# Altium PCB final_pcb.PcbDoc
Units mm, origin at the board's own origin, x right, y up, seen from the top; angles counter-clockwise.
Board outline 84.84 x 58.93 mm, 2 copper layers (Top Layer, Bottom Layer); 68 components, 48 nets, 240 pads, 41 vias.
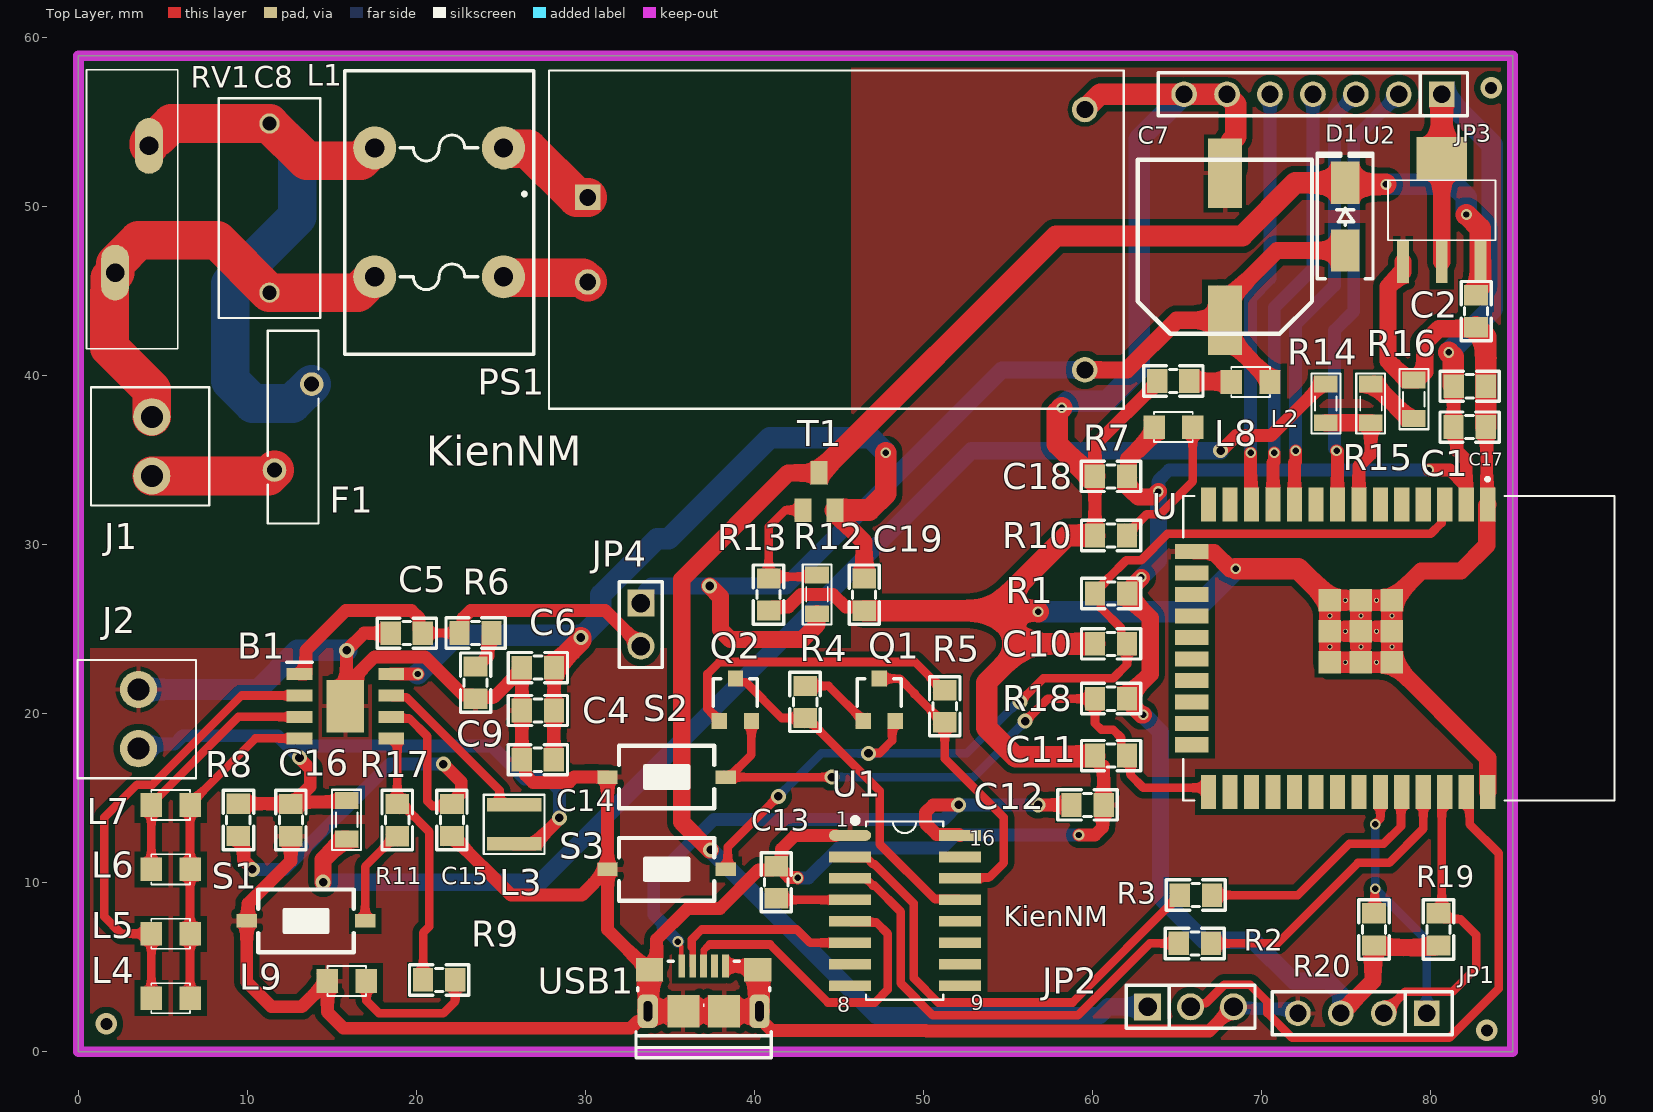
[diagram p0: Top Layer view]
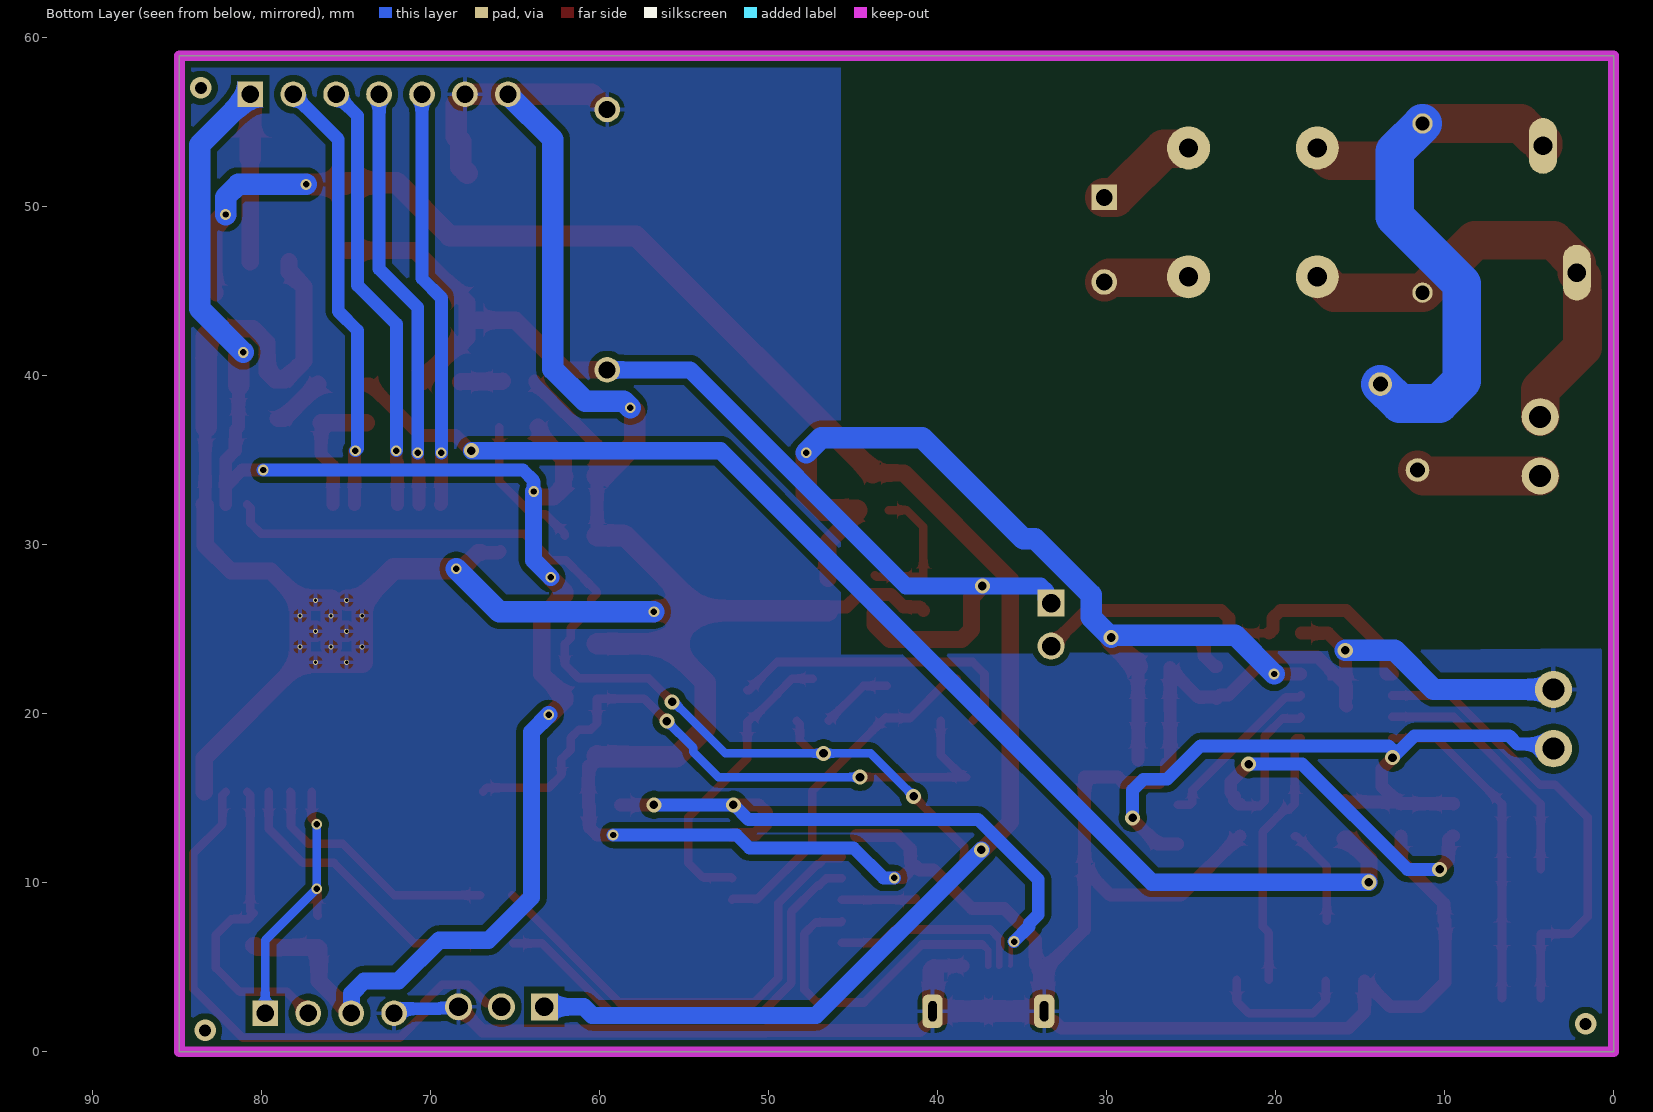
[diagram p1: Bottom Layer view, seen from below]
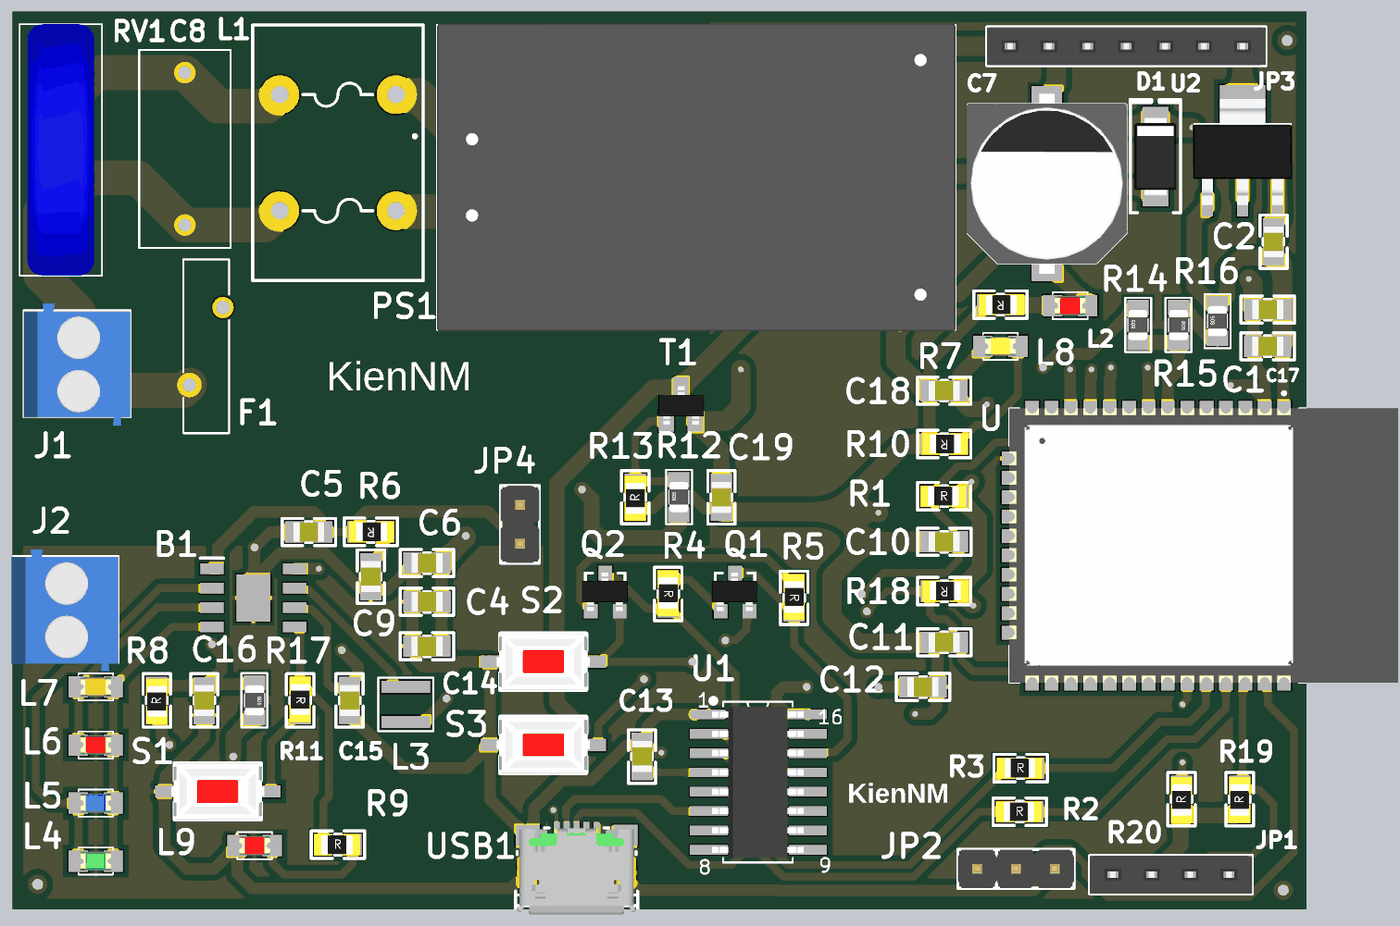
[diagram p2: 3D render of the assembled board from above, using the file's embedded part models]

## Layer stack, top to bottom
Top Solder: solder mask 0.0102, Solder Resist, Dk 3.5
Top Layer: signal copper 0.0356
Dielectric 1: dielectric 0.32, FR-4, Dk 4.8
Bottom Layer: signal copper 0.0356
Bottom Solder: solder mask 0.0102, Solder Resist, Dk 3.5

## Board outline
0,0 84.836,0 84.836,58.928 0,58.928

## Design rules (kind name [scope] priority, off if disabled: settings)
Clearance [All] p1: gap=0.254 ignorepadtopadclearanceinfootprint=FALSE
PolygonConnect [All] p1: connectstyle=Relief reliefconductorwidth=0.254 reliefentries=4 polygonreliefangle="90 Angle" airgapwidth=0.254
RoutingVias [All] p1: holewidth=0.508 width=0.889 viastyle="Through Hole" minholewidth=0.381 minwidth=0.635 maxholewidth=0.711 maxwidth=1.27
SilkToSilkClearance [IsText] p1: silktosilkclearance=0.254
SolderMaskExpansion [All] p1: expansion=0.102 istentingtop=FALSE
Width [All] p1: maxlimit=1.27 minlimit=0.254 preferedwidth=0.762
29 further rules are at their usual default settings.

## Components (designator, comment, footprint, x,y, rotation, side; value= is the part's Value field where it differs from the comment)
B1 "IP5306" SOIC127P600X165-9N 15.793,20.447 r0 top
C1 "104" "tu 0805" 82.296,36.957 r180 top
C2 "224" "tu 0805" 82.296,39.37 r0 top
C4 "22uf" "tu 0805" 27.178,20.193 r0 top
C5 "106" "tu 0805" 19.431,24.765 r180 top
C6 "22uf" "tu 0805" 27.178,22.733 r0 top
C7 "220uF" "tu nhom 10 (g)" 67.818,47.625 r90 top
C8 "capacitor fillter" CAPRR1000W60L1300T600H1200 11.303,49.911 r90 top
C9 "106" "tu 0805" 23.495,21.844 r270 top
C10 "104" "tu 0805" 61.087,24.13 r180 top
C11 "104" "tu 0805" 61.087,17.526 r180 top
C12 "104" "tu 0805" 59.69,14.605 r0 top
C13 "104" "tu 0805" 41.275,10.033 r90 top
C14 "22uf" "tu 0805" 27.178,17.272 r180 top
C15 "22uf" "tu 0805" 22.098,13.713 r90 top
C16 "22uf" "tu 0805" 12.573,13.713 r270 top
C17 "106" "tu 0805" 82.677,43.815 r270 top
C18 "106" "tu 0805" 61.082,34.036 r180 top
C19 "22uf" "tu 0805" 46.482,27.048 r270 top
D1 "SS14" "DIODE SMA" 74.93,49.403 r90 top
F1 "fuse" F2-5.1-11.4X3.0X18.3MM 12.7,36.957 r90 top
J1 "KF2" KF2-3.5 4.342,35.814 r270 top
J2 "KF2" KF2-3.5 3.556,19.685 r270 top
JP1 "JP 1x4 2.54" "JP 1x4 CT" 79.756,2.286 r180 top
JP2 "JP 1x3 2.54" "JP 1x3 DT" 63.246,2.667 r0 top
JP3 "JP 1x7 2.54" "JP 1x7 CT" 80.645,56.642 r180 top
JP4 "JP 1x2 2.54" "JP 1x2 DT" 33.274,26.543 r270 top
L1 "L" L-DIP-220 20.066,48.387 r0 top value="Loc 220"
L2 "LED 0805" LED-0805-Red 70.485,39.624 r180 top
L3 "1 uH" IND_90.5_141.7_125X31_SMD 25.781,14.605 r0 top
L4 "" LED-0805-Green 4.318,3.175 r0 top
L5 "" LED-0805-Blue 6.604,6.985 r180 top
L6 "" LED-0805-Red 4.318,10.795 r0 top
L7 "" LED-0805-Orange 6.604,14.605 r180 top
L8 "LED 0805" LED-0805-Yellow 63.627,36.957 r0 top
L9 "LED 0805" LED-0805-Red 17.018,4.191 r180 top
PS1 "HLK-PM01" CONV_HLK-PM01 44.831,48.041 r0 top
Q1 "HF" SOT23 47.371,20.828 r0 top value=C9014
Q2 "HF" SOT23 38.862,20.828 r0 top value=C9014
R1 "10k" "tro smd 0805" 61.084,27.178 r0 top
R2 "0R" "tro smd 0805" 66.04,6.477 r0 top
R3 "0R" "tro smd 0805" 66.097,9.332 r0 top
R4 "10k" "tro smd 0805" 43.053,20.701 r270 top
R5 "10k" "tro smd 0805" 51.308,20.447 r270 top
R6 "2R" "tro smd 0805" 23.495,24.714 r180 top
R7 "1k" "tro smd 0805" 64.77,39.624 r180 top
R8 "0.5R" "tro smd 0805" 9.398,13.716 r90 top
R9 "22R" "tro smd 0805" 21.336,4.318 r0 top
R10 "1k" "tro smd 0805" 61.084,30.48 r180 top
R11 "10k" "tro smd 0805" 18.923,13.716 r270 top
R12 "1k" RES-SMD-0805 43.688,27.059 r90 top
R13 "10k" "tro smd 0805" 40.767,27.051 r90 top
R14 "10k" RES-SMD-0805 73.787,38.354 r90 top
R15 "1k" RES-SMD-0805 76.454,38.354 r270 top
R16 "0R" RES-SMD-0805 78.994,38.608 r90 top
R17 "0R" RES-SMD-0805 15.875,13.724 r270 top
R18 "10k" "tro smd 0805" 61.084,20.828 r180 top
R19 "10k" "tro smd 0805" 80.391,7.239 r90 top
R20 "10k" "tro smd 0805" 76.581,7.239 r90 top
RV1 "varistor" MOV14D471K 3.175,49.841 r270 top
S1 "SW-SMD" SW-SMD 13.462,7.747 r180 top
S2 "SW-SMD" SW-SMD 34.798,16.256 r0 top
S3 "SW-SMD" SW-SMD 34.798,10.795 r0 top
T1 "A03401" A3401 43.815,33.147 r0 top
U "ESP32-WROOM-32" MODULE_ESP32-WROOM-32 78.105,23.876 r270 top
U1 "CH340C" SOIC16_50_284_25X90_SMT 48.895,8.382 r0 top
U2 "LM1117-ADJ" LM1117-SOP 80.645,48.006 r0 top
USB1 "USB Micro 5p DIP" "USB Micro 5p DIP" 36.984,2.405 r0 top

## Footprints (in the part's own frame and the unit in brackets; to place one, negate y for a bottom-side part, rotate by r counter-clockwise, add the part's x,y. Pads: shape width x height; smd on the part's side, far side on the other; paste and mask are expansions set on the pad)
A3401 [mm] "P-Channel 30V 4A _Ta_ 1.4W _Ta_ Surface Mount SOT-23-3"
  rect 1x1.4 smd: 1(-0.95,-1.1) 2(0.95,-1.1) 3(0,1.1)
  body extent -1.47,-1.33 1.53,1.17, height 1.06
CAPRR1000W60L1300T600H1200 [mm]
  round 1.2 hole 0.85: 1(-5,0) 2(5,0)
  silkscreen extent -6.5,-3 6.5,3
CONV_HLK-PM01 [mm]
  rect 1.508x1.508 / inner round 1.508 / far side rect 1.508x1.508 hole 1: 1(-14.7,2.5)
  round 1.508 hole 1: 2(-14.7,-2.5) 3(14.7,7.7) 4(14.7,-7.7)
  silkscreen extent -18.55,-10 17,10, body extent -17,-10.1 17,10.1, height 15
"DIODE SMA" [mm] "SMA"
  rect 2.5x1.7 smd: 1(-2,0) 2(2,0)
  silkscreen extent -3.68,-1.65 3.75,1.65, body extent -2.6,-1.37 2.6,1.37, height 2.4
F2-5.1-11.4X3.0X18.3MM [mil]
  round 55 hole 35: 1(-100,43.31) 2(100,-43.31)
  silkscreen extent -224,-59 224,59
IND_90.5_141.7_125X31_SMD [mm] "Inductor"
  rect 3.2x0.8 smd: 1(0,0) 2(0,-2.3)
  silkscreen extent -1.8,-2.9 1.8,0.6
"JP 1x2 DT" [mm] "2 pins, 1 row, straight, gold plating"
  rect 1.6x1.6 hole 1.1: 1(0,0)
  round 1.6 hole 1.1: 2(2.54,0)
  silkscreen extent -1.27,-1.27 3.81,1.27, body extent -1.27,-1.27 3.81,1.27, height 8.54
"JP 1x3 DT" [mm]
  rect 1.6x1.6 hole 1.1: 1(0,0)
  round 1.6 hole 1.1: 2(2.54,0) 3(5.08,0)
  silkscreen extent -1.27,-1.27 6.35,1.27, body extent -1.27,-1.27 6.35,1.27, height 8.54
"JP 1x4 CT" [mm]
  rect 1.52x1.52 hole 1.02: 1(0,0)
  round 1.52 hole 1.02: 2(2.54,0) 3(5.08,0) 4(7.62,0)
  silkscreen extent -1.52,-1.27 9.14,1.27, body extent -1.52,-1.25 9.14,1.25, height 8.51
"JP 1x7 CT" [mm] "7 row, straight, gold plating"
  rect 1.52x1.52 hole 1.02: 1(0,0)
  round 1.52 hole 1.02: 2(2.54,0) 3(5.08,0) 4(7.62,0) 5(10.16,0) 6(12.7,0) 7(15.24,0)
  silkscreen extent -1.52,-1.27 16.76,1.27, body extent -1.52,-1.25 16.76,1.25, height 8.51
KF2-3.5 [mm] "3,50mm - modular - blue - Horizontal wire entry - Pressure clamp - 8,4mm height - 02p"
  round 2.2 hole 1.3: 1(-1.75,0) 2(1.75,0)
  silkscreen extent -3.5,-3.6 3.5,3.4, body extent -3.95,-3.6 4.05,3.4, height 8.41
L-DIP-220 [mil] "Loc 220"
  round 100 hole 45: 1(-100,-100) 2(200,-100) 3(200,200) 4(-100,200)
  silkscreen extent -170,-280 270,380
LED-0805-Blue [mil]
  rect 50x55 smd: 1(0,0) 2(90,0)
  silkscreen extent 0,-35 90,35, body extent 5,-25 85,25, height 43
LED-0805-Green [mil]
  rect 50x55 smd: 1(0,0) 2(90,0)
  silkscreen extent 0,-35 90,35, body extent 5,-25 85,25, height 43
LED-0805-Orange [mil]
  rect 50x55 smd: 1(0,0) 2(90,0)
  silkscreen extent 0,-35 90,35, body extent 5,-25 85,25, height 43
LED-0805-Red [mil]
  rect 50x55 smd: 1(0,0) 2(90,0)
  silkscreen extent 0,-35 90,35, body extent 5,-25 85,25, height 43
LED-0805-Yellow [mil]
  rect 50x55 smd: 1(0,0) 2(90,0)
  silkscreen extent 0,-35 90,35, body extent 5,-25 85,25, height 43
LM1117-SOP [mm]
  rect 0.7x2.54 smd: 1(-2.3,-1.27) 2(0,-1.27) 3(2.3,-1.27)
  rect 3x2.54 smd: 2(0,4.826)
  silkscreen extent -3.17,0 3.17,3.56, body extent -3.25,-1.78 3.25,5.18, height 1.68
MODULE_ESP32-WROOM-32 [mm]
  rect 2x0.9 smd: 1(-8.5,5.26) 2(-8.5,3.99) 3(-8.5,2.72) 4(-8.5,1.45) 5(-8.5,0.18) 6(-8.5,-1.09) 7(-8.5,-2.36) 8(-8.5,-3.63) 9(-8.5,-4.9) 10(-8.5,-6.17) 11(-8.5,-7.44) 12(-8.5,-8.71) 13(-8.5,-9.98) 14(-8.5,-11.25) 25(8.5,-11.25) 26(8.5,-9.98) 27(8.5,-8.71) 28(8.5,-7.44) 29(8.5,-6.17) 30(8.5,-4.9) 31(8.5,-3.63) 32(8.5,-2.36) 33(8.5,-1.09) 34(8.5,0.18) 35(8.5,1.45) 36(8.5,2.72) 37(8.5,3.99) 38(8.5,5.26)
  rect 0.9x2 smd: 16(-4.445,-12.25) 17(-3.175,-12.25) 18(-1.905,-12.25) 19(-0.635,-12.25) 20(0.635,-12.25) 21(1.905,-12.25) 22(3.175,-12.25) 23(4.445,-12.25) 24(5.715,-12.25) C(-5.715,-12.25)
  rect 1.33x1.33 smd: 39_1(-2.835,-0.405) 39_2(-1,-0.405) 39_3(0.835,-0.405) 39_4(-2.835,-2.24) 39_5(-1,-2.24) 39_6(0.835,-2.24) 39_7(-2.835,-4.075) 39_8(-1,-4.075) 39_9(0.835,-4.075)
  round 0.3 hole 0.2: 39_10(-1.917,-0.405) 39_11(-0.082,-0.405) 39_12(-2.835,-1.322) 39_13(-1,-1.322) 39_14(0.835,-1.322) 39_15(-1.917,-2.24) 39_16(-0.082,-2.24) 39_17(-2.835,-3.157) 39_18(-1,-3.157) 39_19(0.835,-3.157) 39_20(-1.917,-4.075) 39_21(-0.082,-4.075)
  silkscreen extent -10.1,-12.75 9,12.75, body extent -9.02,-12.75 8.98,12.75, height 3.2
MOV14D471K [mm]
  oval 3.3x1.65 hole 1.1: 1(-3.75,1) 2(3.75,-1)
  silkscreen extent -8.25,-2.7 8.25,2.7, body extent -8.25,-2.2 8.25,2.2, height 20
RES-SMD-0805 [mil]
  rect 39.37x55 smd: 1(-45,0) 2(45,0)
  silkscreen extent -70,-34 70,33, body extent -39,-25 39,25, height 31
SOIC16_50_284_25X90_SMT [mm]
  oval 2.5x0.635 smd mask+0.076: 1(-3.25,4.42)
  rect 2.5x0.635 smd mask+0.076: 2(-3.25,3.15) 3(-3.25,1.88) 4(-3.25,0.61) 5(-3.25,-0.66) 6(-3.25,-1.93) 7(-3.25,-3.2) 8(-3.25,-4.47) 9(3.25,-4.47) 10(3.25,-3.2) 11(3.25,-1.93) 12(3.25,-0.66) 13(3.25,0.61) 14(3.25,1.88) 15(3.25,3.15) 16(3.25,4.42)
  silkscreen extent -3.07,-5.3 2.26,5.44, body extent -3.02,-4.97 2.98,4.93, height 1.4
SOIC127P600X165-9N [mm]
  rect 1.525x0.7 smd: 1(-2.712,1.905) 2(-2.712,0.635) 3(-2.712,-0.635) 4(-2.712,-1.905) 5(2.712,-1.905) 6(2.712,-0.635) 7(2.712,0.635) 8(2.712,1.905)
  rect 2.21x3.1 smd: 9(0,0)
  silkscreen extent -3.47,2.61 -1.95,2.61
SOT23 [mm] "SOT23"
  rect 0.9x0.95 smd: 1(-0.95,-1.25) 2(0,1.25)
  rect 0.9x0.95 smd mask+0: 3(0.95,-1.25)
  silkscreen extent -1.3,-0.38 1.3,1.25, body extent -1.52,-1.23 1.48,1.27, height 1.06
SW-SMD [mm] "Switch SMD type"
  rect 1.2x0.8 smd: 1(-3.5,0) 2(3.5,0)
  silkscreen extent -2.82,-1.85 2.82,1.85, body extent -3.05,-1.85 3.05,1.85, height 2.5
"tro smd 0805" [mm]
  rect 1.2x1.4 smd: 1(-0.946,-0.061) 2(0.954,-0.061)
  silkscreen extent -1.75,-0.97 1.75,0.84, body extent -1.56,-0.76 1.44,0.64, height 0.53
"tu 0805" [mm] "Compoment SMD 80x50mil"
  rect 1.2x1.4 smd: 1(-0.946,-0.003) 2(0.954,-0.003)
  silkscreen extent -1.75,-0.89 1.75,0.89, body extent -1.01,-0.64 1.01,0.63, height 0.61
"tu nhom 10 (g)" [mm]
  rect 4.1x2 smd: 1(-4.35,0) 2(4.35,0)
  silkscreen extent -5.15,-5.15 5.15,5.15, body extent -5.9,-5.25 5.9,5.25, height 10.5
"USB Micro 5p DIP" [mm]
  rect 0.4x1.35 smd mask+0.05: 1(-1.3,2.675) 2(-0.65,2.675) 3(0,2.675) 4(0.65,2.675) 5(1.3,2.675)
  rrect60% 1.2x2 hole 0.5 slot 1.2 at 90 deg: 5(-3.3,0) 5(3.3,0)
  rect 1.6x1.4 smd: 5(-3.2,2.45) 5(3.2,2.45)
  rect 1.9x1.9 smd paste-10: 5(-1.2,0) 5(1.2,0)
  silkscreen extent -4,-2.75 4,2.95, body extent -3.93,-2.76 3.93,2.9, height 2.85

## Part data
B1: "Fully-Integrated Power-Bank System-On-Chip", Manufacturer_Name=INJOINIC, Datasheet Link=https://datasheetspdf.com/pdf-file/1139129/Injoinic/IP5306/1, Geometry.Height=1.65mm, Manufacturer_Part_Number=IP5306
C1 C10 C11 C12 C13: library part "Tu 0805 104 50V 10%", "Dán", Chung_Loai=Dán, Don_Vi=Con, Ma_Hang=MH004551, So_Chan=2, Ten_Linh_Kien="Tụ 0805 104-100nF 10% 50V"
C2: library part "Tu 0805 224 50V 10%", "Dán", Chung_Loai=Dán, Don_Vi=Con, Ma_Hang=MH004559, So_Chan=2, Ten_Linh_Kien="Tụ 0805 224-0.22uF 10% 50V"
C4 C6 C14 C15 C16 C19: library part "Tu 0805 225 25V 10%", "Dán", Chung_Loai=Dán, Don_Vi=Con, Ma_Hang=MH007483, So_Chan=2, Ten_Linh_Kien="Tụ 0805 225-2.2uF 25V 10%"
C5 C9 C17 C18: library part "Tu 0805 106 16V 10%", "Dán", Chung_Loai=Dán, Don_Vi=Con, Ma_Hang=MH004553, So_Chan=2, Ten_Linh_Kien="Tụ 0805 106-10uF 10% 16V"
C7: library part "Tu Nhom 220uF 50V", "Dán", Chung_Loai=Dán, Don_Vi=Con, Ma_Hang=MH002228, So_Chan=2, Ten_Linh_Kien="Tụ Nhôm 220uF 50V 10x10.2MM"
C8: library part B32921C3104M003, "Safety Capacitors FILM CAP MKP X2 0.10uF 20% 305Vac LS 10mm - short leads", Package=None, Availability="In Stock", Check_prices=https://www.snapeda.com/parts/B32921C3104M003/TDK/view-part/?ref=eda, MF=TDK, MP=B32921C3104M003, Price=None, Purchase-URL=https://pricing.snapeda.com/search/part/B32921C3104M003/?ref=eda, SnapEDA_Link=https://www.snapeda.com/parts/B32921C3104M003/TDK/view-part/?ref=snap
D1: library part "Diode SS14 ( 1N5819)", "Dán", Chung_Loai=Dán, Don_Vi=Con, Ma_Hang=MH002211, Ten_Linh_Kien="Diode SS14 DO214 Schottky 1A 40V ( 1N5819 DO214)"
F1: library part DIP-PPTC-2.5A-30V(D11.4MM), "Polymeric PTC Resettable Fuse 30V 2.5A Ih Through Hole Radial, Disc", Package="Radial Littelfuse", Availability=Bad, Check_prices=https://www.snapeda.com/parts/30R250/Littelfuse/view-part/4772985/?ref=eda, MF=Littelfuse, MP=30R250, Price=None, SnapEDA_Link=https://www.snapeda.com/parts/30R250/Littelfuse/view-part/4772985/?ref=snap
J1 J2: Manufacturer="Würth Elektronik eiSos GmbH", partNo=691103110002, ComponentLink1 Description=Manufacturer, ComponentLink1URL=http://www.we-online.com, ComponentLink2 Description=Datasheet, ComponentLink2URL=http://katalog.we-online.de/em/datasheet/6911031100xx.pdf, Created by="Karrer Zheng", Created Date="29 October 2013", NoPins=2
JP1: library part "JP 1x4 2.54 Cai Thang", "Cắm", Chung_Loai=Cắm, Don_Vi=Con, Ma_Hang=MH004006, Ten_Linh_Kien="Jump Đơn Cái 2.54MM 1x20P Thẳng"
JP2: library part "JP 1x3 2.54 Duc Thang", "Cắm", Chung_Loai=Cắm, Don_Vi=Con, Ma_Hang=MH000903, Ten_Linh_Kien="Jump Đơn Đực 2.54MM 1x40P Thẳng 11MM"
JP3: library part "JP 1x7 2.54 Cai Thang", "Cắm", Chung_Loai=Cắm, Don_Vi=Con, Ma_Hang=MH004006, Ten_Linh_Kien="Jump Đơn Cái 2.54MM 1x20P Thẳng"
JP4: library part "JP 1x2 2.54 Duc Thang", "Cắm", Chung_Loai=Cắm, Don_Vi=Con, Ma_Hang=MH000903, Ten_Linh_Kien="Jump Đơn Đực 2.54MM 1x40P Thẳng 11MM"
L1: library part L-DIP-220, "Inductor", Designed by=VanDungEvn
L2 L6 L9: library part "LED 0805 Do", "Dán", Chung_Loai=Dán, Don_Vi=Con, Ma_Hang=MH000897, Ten_Linh_Kien="LED 0805 Màu Đỏ (Red)"
L3: library part IND_1uH-4.2A-20%-SMD, "Fixed Inductors WPN3012H1R0MT 100kHz", Alternate Part Number-1=NA, Case/Package=SMD, Manufacturer=Sunlord, Manufacturer Part Number=WPN3012H1R0MT, Supplier Part Number-1=NA, Supplier-1=NA
L4: library part "LED 0805 Xanh La", "Dán", Chung_Loai=Dán, Don_Vi=Con, Ma_Hang=MH002326, Ten_Linh_Kien="LED 0805 Màu Xanh Lá (Green)"
L5: library part "LED 0805 Xanh Duong", "Dán", Chung_Loai=Dán, Don_Vi=Con, Ma_Hang=MH002327, Ten_Linh_Kien="LED 0805 Màu Xanh Dương (Blue)"
L7: library part "LED 0805 Cam", "Dán", Chung_Loai=Dán, Don_Vi=Con, Ma_Hang=MH002328, Ten_Linh_Kien="LED 0805 Màu Cam ( Orange)"
L8: library part "LED 0805 Trang", "Dán", Chung_Loai=Dán, Don_Vi=Con, Ma_Hang=MH002946, Ten_Linh_Kien="LED 0805 Màu Trắng ( White)"
PS1: "The HLK-PM01 is a small size low cost AC to DC converter which can take in 110V/220V AC at 50/60 Hz and give 5V 3W output. The module is can be used in designs which run on 5V and needs to be powered form the AC mains.", Package=None, Availability="Not in stock", Check_prices=https://www.snapeda.com/parts/hlk-pm01/Hi-link/view-part/?ref=eda, MF=Hi-link, MP=hlk-pm01, Price=None, SnapEDA_Link=https://www.snapeda.com/parts/hlk-pm01/Hi-link/view-part/?ref=snap
Q1 Q2: library part "C1815 HF SMD", "NPN transistor"
R1 R4 R5 R18: library part "Tro 0805 5% 10k", "Dán", Chung_Loai=Dán, Don_Vi=Con, Ma_Hang=MH005239, So_Chan=2, Ten_Linh_Kien="Trở 0805 5% 10k"
R2 R3: library part "Tro 0805 5% 0R", "Dán", Chung_Loai=Dán, Don_Vi=Con, Ma_Hang=MH005230, So_Chan=2, Ten_Linh_Kien="Trở 0805 5% 0R"
R6: library part "Tro 0805 5% 1R", "Dán", Chung_Loai=Dán, Don_Vi=Con, Ma_Hang=MH005236, So_Chan=2, Ten_Linh_Kien="Trở 0805 5% 1R"
R7 R10: library part "Tro 0805 1% 1k", "Dán", Chung_Loai=Dán, Don_Vi=Con, Ma_Hang=MH005468, So_Chan=2, Ten_Linh_Kien="Trở 0805 1% 1k"
R8: library part "Tro 0805 1% 0.5R", "Dán", Chung_Loai=Dán, Don_Vi=Con, Ma_Hang=MH005465, So_Chan=2, Ten_Linh_Kien="Trở 0805 1% 0.5R"
R9: library part "Tro 0805 5% 22R", "Dán", Chung_Loai=Dán, Don_Vi=Con, Ma_Hang=MH005249, So_Chan=2, Ten_Linh_Kien="Trở 0805 5% 22R"
R11 R13 R19 R20: library part "Tro 0805 1% 10k", "Dán", Chung_Loai=Dán, Don_Vi=Con, Ma_Hang=MH005473, So_Chan=2, Ten_Linh_Kien="Trở 0805 1% 10k"
R12 R14 R15 R16 R17: library part "Resistor - SMD", "Resistor", Manufacturer="Generic Components", Class=Passive, Published=08/06/2000, Publisher="Altium Hobart Technology Centre"
RV1: library part MOV-14D471K, "470 V 4.5 kA Varistor 1 Circuit Through Hole Disc 14mm", Package="Disc-14 Bourns", Availability="In Stock", Check_prices=https://www.snapeda.com/parts/MOV-14D471K/Bourns/view-part/?ref=eda, MF=Bourns, MP=MOV-14D471K, Price=None, Purchase-URL=https://pricing.snapeda.com/search/part/MOV-14D471K/?ref=eda, SnapEDA_Link=https://www.snapeda.com/parts/MOV-14D471K/Bourns/view-part/?ref=snap
S1 S2 S3: "Switch", LatestRevisionDate=17-Jul-2002, LatestRevisionNote="Re-released for DXP Platform.", PackageReference=SPST-2, Published=24-Mar-1999, Publisher="Altium Limited"
T1: "P-Channel 30V 4A _Ta_ 1.4W _Ta_ Surface Mount SOT-23-3"
U: "Bluetooth, WiFi Transceiver Module 2.4GHz ~ 2.5GHz Surface Mount", Package="Module Espressif Systems", Digi-Key_Part_Number=1904-1010-1-ND, Digi-Key_Purchase_URL=https://www.digikey.com/product-detail/en/espressif-systems/ESP32-WROOM-32/1904-1010-1-ND/8544305?utm_source=snapeda&utm_medium=aggregator&utm_campaign=symbol, MF="Espressif Systems", MP=ESP32-WROOM-32, SnapEDA_Link=https://www.snapeda.com/parts/ESP32-WROOM-32/Espressif%20Systems/view-part/2753322/?ref=snap
U1: "USB Bridge, USB to UART USB 2.0 UART Interface", Alternate Part Number-1=NA, Case/Package=SOIC16, Manufacturer=Olimex, Supplier Part Number-1=C84681, Manufacturer Part Number=CH340C, Supplier-1=LCSC
U2: "800mA Low-Dropout Linear Regulator", Creator="Nguyen Ba Bien", Website=http://group3i.net
USB1: "USB Type B", Ma_Hang=MH005145, Ten="MicroUSB MK5P DIP"

## Via types
v1: diameter 0.635, hole 0.381, Top Layer to Bottom Layer, tented both sides, 21 vias
v2: diameter 0.889, hole 0.508, Top Layer to Bottom Layer, tented both sides, 17 vias
v3: diameter 1.27, hole 0.711, Top Layer to Bottom Layer, tented both sides, 3 vias

## Nets (pads, with @x,y where several pads share a name; then routed paths per layer and width w, separated by ;. In a path a pad name is that pad's centre, name@x,y a point inside that pad or via, vN(x,y) a via of type N, cw(c..) or ccw(c..) an arc to the next point about the centre after c; other vN are vias at no path point)
3V3: C1.2 C2.1 C18.1 JP1.3 JP3.1 L8.1 R1.2 R18.1 R19.1 R20.1 U2.2 U.2 | length 112.1
  Top Layer w0.762: v1(79.883,34.417) 81.132,34.417 82.026,33.523 ; C2.1@81.346,39.337 81.346,36.965 C1.2 81.529,36.773 81.529,35.565 82.095,34.999 U.2 ; C2.1@81.346,39.362 C2.1
  Top Layer w1.016: v1(62.865,28.067) 62.865,28.043 62.039,27.217 R1.2 62.039,27.017 63.398,25.658 63.398,22.357 62.03,20.989 R18.1 62.03,20.789 62.88,19.939 v1(62.992,19.939) ; L8.1 63.5,36.83 63.5,36.449 62.119,35.068 62.119,34.131 C18.1 62.119,33.947 62.119,33.417 62.715,32.822 63.556,32.822 v1(63.881,33.147) ; JP1.3 76.581,4.191 76.581,6.106 76.642,6.166 80.225,6.166 80.352,6.293 R19.1 ; U2.2@80.645,46.736 U2.2@80.645,52.832
  Top Layer w1.27: U2.2@80.645,52.832 JP3.1 ; v1(81.055,41.372) 81.315,41.111 C2.1@81.315,39.432
  Bottom Layer w0.762: v1(63.881,33.147) 63.881,33.782 64.516,34.417 v1(79.883,34.417)
  Bottom Layer w1.016: v1(62.865,28.067) 63.881,29.083 v1(63.881,33.147) ; v1(62.992,19.939) 64.008,18.923 64.008,9.144 66.548,6.604 69.469,6.604 71.882,4.191 73.914,4.191 74.648,3.457 74.648,2.314 JP1.3
  Bottom Layer w1.27: JP3.1 83.629,53.657 83.629,43.947 v1(81.055,41.372)
5V_REG: C7.1 D1.1 JP4.1 L2.1 PS1.4 R12.1 | length 65.8
  Top Layer w1.016: v2(37.338,27.559) 37.973,26.924 37.973,24.979 38.568,24.384 42.799,24.384 43.688,25.273 R12.1 ; PS1.4 62.028,40.341 64.962,43.275 C7.1 ; L2.1 70.358,39.751 70.358,39.876 68.501,41.733 68.31,41.733 67.818,42.225 C7.1 ; D1.1 70.896,47.403 67.818,44.325 C7.1
  Bottom Layer w1.016: JP4.1 33.566,26.835 33.566,27.228 33.897,27.559 v2(37.338,27.559) 41.854,27.559 54.635,40.341 PS1.4
AC_IN1: F1.1 J1.2 | length 7.4
  Top Layer w2.286: J1.2 11.247,34.064 F1.1
AC_IN2: C8.1 J1.1 L1.1 RV1.2 | length 27.8
  Top Layer w2.286: J1.1 4.342,39.162 1.841,41.663 1.841,44.932 1.857,44.948 1.857,45.773 RV1.2 2.175,46.625 3.556,48.006 8.208,48.006 C8.1 16.521,44.911 17.457,45.847 L1.1
D+: U1.5 USB1.3 | length 19.5
  Top Layer w0.381: USB1.3 36.987,5.083 36.987,5.999 37.338,6.35
  Top Layer w0.508: 37.338,6.35 40.907,6.35 44.336,2.921 47.117,2.921 47.879,3.683 47.879,6.985 47.205,7.659 45.708,7.659 U1.5
D-: U1.6 USB1.2 | length 11.5
  Top Layer w0.381: 36.291,6.177 36.334,6.134 USB1.2
  Top Layer w0.508: 36.291,6.177 36.291,6.666 36.864,7.239 42.495,7.239 43.282,6.452 U1.6
DTR: Q2.2 R4.2 U1.13 | length 20.5
  Top Layer w0.508: Q2.2 38.862,22.053 39.058,21.857 39.484,21.857 41.594,19.747 R4.2 ; R4.2@43.042,19.797 47.403,15.436 47.403,12.287 50.634,9.056 52.082,9.056 U1.13
EN: C10.1 Q1.3 R1.1 S3.2 U.3 | length 60.9
  Top Layer w0.508: S3.2 38.298,10.826 38.413,10.941 38.413,12.124 v2(41.402,15.113) ; v2(46.736,17.653) 46.764,17.681 47.399,17.681 48.133,18.415 48.133,19.39 Q1.3 ; v2(55.689,20.701) 57.085,22.097 61.213,22.097 62.033,22.917 C10.1 61.687,24.479 61.687,25.054 60.485,26.256 60.485,26.771 R1.1 60.139,27.217 60.931,28.009 60.931,28.028 61.986,29.083 62.865,29.083 64.423,30.641 79.988,30.641 80.629,31.282 80.629,32.18 U.3
  Bottom Layer w0.508: v2(41.402,15.113) 43.942,17.653 v2(46.736,17.653) 52.538,17.653 55.586,20.701 v2(55.689,20.701)
GND: B1.9 C1.1 C2.2 C4.1 C5.2 C6.1 C7.2 C9.2 C10.2 C11.2 C12.2 C13.2 C14.2 C15.1 C16.2 C17.2 C18.2 C19.2 J2.1 JP1.4 JP2.3 JP3.6 JP3.7 L9.2 PS1.3 R7.2 R10.2 R13.1 R16.2 S1.2 S2.1 S3.1 U1.1 U2.1 U.1 U.38 U.39_1 U.39_2 U.39_3 U.39_4 U.39_5 U.39_6 U.39_7 U.39_8 U.39_9 U.39_10 U.39_11 U.39_12 U.39_13 U.39_14 U.39_15 U.39_16 U.39_17 U.39_18 U.39_19 U.39_20 U.39_21 U.C USB1.5 | length 375.6
  Top Layer w0.254: USB1.5@39.774,4.445 USB1.5@40.184,4.855
  Top Layer w0.762: C16.2 12.57,11.3 10.036,8.766 10.036,7.766 10.017,7.747 S1.2 9.962,4.135 11.43,2.667 13.208,2.667 14.414,3.873 14.478,3.873 L9.2@14.732,4.127 ; L9.2 L9.2@14.732,4.127 ; B1.9 15.851,20.505 15.851,20.95 15.851,21.651 15.851,23.725 v2(15.875,23.749) 16.894,24.768 C5.2 ; B1.9@15.793,20.95 15.793,21.651 17.056,22.913 17.51,23.368 20.505,23.368 22.765,21.109 23.273,21.109 C9.2 23.584,20.982 24.584,20.982 C6.1@26.232,22.63 ; C15.1 25.598,9.271 29.774,9.271 S3.1 ; C6.1 C6.1@26.232,22.63 ; USB1.5@33.684,2.405 33.684,2.005 33.465,1.786 33.065,1.786 32.676,1.397 15.684,1.397 14.732,2.349 14.732,3.873 L9.2@14.732,4.127 ; USB1.5@38.469,5.08 39.959,5.08 USB1.5@40.184,4.855 ; USB1.5@40.284,2.405 40.284,2.005 41.019,1.27 50.121,1.27 50.159,1.232 66.891,1.232 JP2.3 ; R13.1 41.047,26.324 41.999,26.324 42.734,27.059 44.642,27.059 45.388,26.313 46.26,26.313 C19.2 ; v1(42.545,10.287) 42.51,10.322 42.043,10.322 C13.2@41.378,10.987 ; U1.1@44.776,12.791 42.382,12.791 41.597,12.006 41.597,11.206 C13.2@41.378,10.987 ; v1(59.182,12.827) 60.134,12.827 60.58,13.273 60.58,14.537 C12.2 ; C18.2 60.129,34.038 R10.2 R10.2 ; C18.2@60.127,34.069 60.127,35.897 63.816,39.585 R7.2 ; C12.2@60.644,14.502 C12.2 ; C11.2@60.644,16.918 C12.2 ; U.C 65.913,29.533 66.987,29.533 ; C1.1 83.303,36.899 U.1@83.303,32.438 ; C6.1@26.232,22.63 C4.1 26.228,20.185 26.228,17.28 C14.2 26.443,17.056 26.443,16.387 26.889,15.94 29.012,15.94 29.328,16.256 S2.1 S3.1 ; S3.1 31.298,7.241 33.684,4.855 33.784,4.855 33.884,4.855 34.203,5.174 34.203,6.644 36.043,8.484 37.948,8.484 40.232,10.768 41.059,10.768 C13.2 C13.2@41.378,10.987
  Top Layer w1.016: 66.987,29.533 67.171,29.533 68.129,28.575 v1(68.453,28.575) ; U.39_3 83.365,17.376 U.38 ; U.39_1 79.437,28.448 81.788,28.448 83.307,29.967 83.307,32.318 U.1 ; U2.1 78.345,46.132 77.47,45.257 77.47,40.867 78.578,39.759 78.986,39.759 R16.2 79.177,39.751 79.658,40.232 79.658,41.95 80.476,42.769 82.582,42.769 C17.2
  Top Layer w1.27: USB1.5@33.784,4.855 33.719,4.79 33.719,2.44 33.684,2.405 35.784,2.405 38.184,2.405 40.284,2.405 40.249,2.44 40.249,4.79 USB1.5@40.184,4.855 ; C19.2 54.043,26.094 ; v1(56.769,26.035) 56.71,26.094 54.043,26.094 ; v1(58.166,38.1) 57.912,37.846 57.912,35.941 59.749,34.104 60.092,34.104 60.127,34.069 C18.2 ; PS1.3 60.432,56.642 JP3.7@65.337,56.642 ; R10.2 58.49,30.541 54.043,26.094 ; C11.2 60.133,17.499 60.098,17.464 59.567,17.464 59.565,17.462 55.435,17.462 53.721,19.177 53.721,21.844 56.007,24.13 ; C10.2 60.129,24.13 56.007,24.13 ; JP3.7 JP3.6 67.945,56.574 68.453,56.066 68.453,54.134 68.183,53.864 68.183,52.34 C7.2 ; v1(68.453,28.575) 72.166,28.575 U.39_7 ; U.39_18 U.39_5 ; U.39_17 U.39_7 ; U.39_16 U.39_5 ; U.39_13 U.39_2 ; C17.2@82.669,42.896 83.25,42.314 C2.2 83.246,39.362 83.246,36.965 C1.1 ; 54.043,26.094 56.007,24.13 ; U.39_7 U.39_20 U.39_8 U.39_21 U.39_9 U.39_19 U.39_6 U.39_14 U.39_3 U.39_11 U.39_2 ; U.39_5 U.39_15 U.39_4 U.39_12 U.39_1 U.39_10 U.39_2
  Bottom Layer w0.762: v1(42.545,10.287) 43.18,10.287 44.958,12.065 51.117,12.065 51.879,12.827 v1(59.182,12.827) ; JP2.3 69.452,2.566 71.681,2.536 71.904,2.313 71.931,2.286 JP1.4
  Bottom Layer w1.27: J2.1 10.64,21.435 12.954,23.749 v2(15.875,23.749) ; v1(56.769,26.035) 65.913,26.035 v1(68.453,28.575) ; v1(58.166,38.1) 58.547,38.481 60.833,38.481 62.738,40.386 62.738,53.975 JP3.7
GND_ADC: R15.1 R16.1 | length 3.2
  Top Layer w1.016: R15.1@76.644,39.489 78.661,37.473 78.986,37.473 R16.1
IO0: C11.1 Q2.3 R18.2 S2.2 U.25 | length 38.6
  Top Layer w0.508: S2.2 S2.2@38.498,16.256 ; Q2.3 39.812,17.57 S2.2@38.498,16.256 ; v2(44.577,16.256) S2.2@38.498,16.256 ; v2(56.007,19.558) 57.338,20.889 R18.2 60.133,20.886 60.133,19.427 60.5,19.06 61.204,19.06 61.681,18.583 61.681,18.273 61.687,18.268 61.687,17.875 62.239,17.323 62.239,16.374 62.992,15.621 66.659,15.621 66.855,15.425 U.25
  Bottom Layer w0.508: v2(44.577,16.256) 52.959,16.256 54.447,17.744 54.447,17.998 v2(56.007,19.558)
IO25: JP3.3 U.10 | length 25.8
  Top Layer w0.762: U.10 71.935,34.851 72.009,34.925 v1(72.009,35.56)
  Bottom Layer w0.762: v1(72.009,35.56) 72.004,35.565 72.004,43.048 74.295,45.339 74.295,55.372 JP3.3
IO26: JP3.4 U.11 | length 25.2
  Top Layer w0.762: U.11 70.665,34.851 70.739,34.925 v1(70.739,35.433)
  Bottom Layer w0.762: v1(70.739,35.433) 70.739,44.03 73.025,46.316 JP3.4
IO27: JP3.5 U.12 | length 24.8
  Top Layer w0.762: v1(69.342,35.433) 69.342,32.429 U.12
  Bottom Layer w0.762: v1(69.342,35.433) 69.342,44.601 70.485,45.744 JP3.5
IO28: JP3.2 U.8 | length 25.9
  Top Layer w0.762: v1(74.422,35.56) 74.475,35.507 U.8
  Bottom Layer w0.762: v1(74.422,35.56) 74.295,35.687 74.295,42.672 75.438,43.815 75.438,53.975 JP3.2
NetB1_1: B1.1 C5.1 JP4.2 R6.2 | length 25.3
  Top Layer w0.508: C5.1 20.38,24.772 R6.2@22.537,24.772
  Top Layer w0.762: B1.1 13.432,22.352 13.463,22.383 13.463,23.75 15.816,26.103 19.711,26.103 20.158,25.657 20.158,24.987 C5.1 ; R6.2 22.76,24.994 22.76,25.664 23.206,26.11 31.167,26.11 JP4.2
NetB1_2: B1.2 L4.1 L5.2 | length 27.4
  Top Layer w0.508: L4.1 L5.2 2.54,6.985 1.524,8.001 1.524,13.863 3.473,15.811 4.381,15.811 9.652,21.082 B1.2
NetB1_3: B1.3 L6.1 L7.2 | length 14.8
  Top Layer w0.508: L6.1 L7.2 4.318,14.668 9.461,19.812 B1.3
NetB1_4: B1.4 L4.2 L5.1 L6.2 L7.1 | length 19.6
  Top Layer w0.508: L4.2 L5.1 L6.2 L7.1 6.604,14.668 10.477,18.542 B1.4
NetB1_5: B1.5 R9.1 R11.1 | length 15.7
  Top Layer w0.508: B1.5 18.766,18.542 18.862,18.446 R11.1 19.208,14.316 19.466,14.316 20.758,13.024 20.758,7.414 20.39,7.047 R9.1
NetB1_6: B1.6 C15.2 R8.1 | length 27.4
  Top Layer w0.508: B1.6 18.601,19.716 19.592,19.716 20.639,18.669 20.639,14.841 20.937,14.543 C15.2@22.101,14.543
  Top Layer w0.762: R8.1 9.559,12.77 9.778,12.551 9.778,11.339 10.287,10.829 v2(10.287,10.795) ; v2(21.59,17.018) 21.592,17.018 22.645,15.964 22.645,15.333 22.42,15.108 22.42,14.887 22.201,14.668 C15.2
  Bottom Layer w0.762: v2(10.287,10.795) 12.192,10.795 18.415,17.018 v2(21.59,17.018)
NetB1_7: B1.7 L3.1 | length 10.4
  Top Layer w0.508: B1.7 18.601,20.986 19.4,20.986 24.917,15.469 24.917,14.751 25.063,14.605 L3.1
NetC8_2: C8.2 F1.2 L1.4 RV1.1 | length 38.6
  Top Layer w2.286: RV1.1 4.175,53.78 4.493,54.098 4.682,54.098 5.495,54.911 C8.2 13.509,52.705 16.695,52.705 17.457,53.467 L1.4
  Bottom Layer w2.286: C8.2 12.954,53.26 12.954,49.403 8.982,45.431 8.982,39.693 10.322,38.354 12.657,38.354 F1.2
NetC9_1: C9.1 R6.1 | length 2.4
  Top Layer w0.762: C9.1 23.592,22.79 24.222,23.42 24.222,24.556 R6.1
NetC13_1: C13.1 U1.4 | length 4.4
  Top Layer w0.508: C13.1 41.374,8.992 U1.4
NetL1_2: L1.2 PS1.2 | length 5.1
  Top Layer w2.286: L1.2 25.195,45.798 29.835,45.798 30.093,45.541 PS1.2
NetL1_3: L1.3 PS1.1 | length 6.2
  Top Layer w2.286: L1.3 25.195,53.418 26.592,53.418 29.469,50.541 PS1.1
NetL2_2: L2.2 R7.1 | length 2.5
  Top Layer w1.016: R7.1 65.746,39.654 68.169,39.654 L2.2
NetL8_2: L8.2 R10.1 | length 8.5
  Top Layer w0.508: R10.1 62.03,30.641 63.195,31.806 63.977,31.806 65.913,33.742 L8.2
NetL9_1: L9.1 R9.2 | length 8.3
  Top Layer w0.508: L9.1 17.038,4.171 17.038,3.028 17.78,2.286 21.59,2.286 22.29,2.986 R9.2
NetQ1_1: Q1.1 R4.1 | length 4.3
  Top Layer w0.508: R4.1 44.377,21.647 46.421,19.603 Q1.1
NetQ2_1: Q2.1 R5.1 | length 18.1
  Top Layer w0.508: Q2.1 37.912,19.603 37.211,20.304 37.211,22.352 37.92,23.061 49.479,23.061 51.147,21.393 R5.1
NetR11_2: R11.2 S1.1 | length 5.9
  Top Layer w0.508: S1.1 16.962,10.961 18.762,12.762 R11.2
NetR12_2: R12.2 R13.2 T1.1 | length 8.4
  Top Layer w0.508: T1.1 41.826,32.047 40.828,31.049 R13.2 40.926,28.104 43.589,28.104 R12.2
PIN_ADC_ESP: R14.1 R15.2 U.7 | length 7.8
  Top Layer w0.762: U.7 75.745,34.655 76.454,35.364 R15.2
  Top Layer w1.016: R14.1 R15.2
RTS: Q1.2 R5.2 U1.14 | length 17.7
  Top Layer w0.508: Q1.2 48.583,22.078 49.46,21.201 49.46,21.161 50.783,19.839 50.901,19.839 R5.2 51.247,17.351 54.737,13.861 54.737,11.176 53.887,10.326 52.209,10.326 U1.14
RXD_CH: R2.1 U1.3 | length 27
  Top Layer w0.508: U1.3 46.577,10.262 47,9.839 47.084,9.839 48.641,8.282 48.641,4.053 50.535,2.159 59.117,2.159 63.374,6.416 R2.1
RXD_ESP: R3.2 U.34 | length 14.9
  Top Layer w0.508: R3.2 72.136,9.271 75.184,12.319 77.216,12.319 78.232,13.335 78.232,15.323 U.34
SCL: JP1.2 R19.2 U.36 | length 18.6
  Top Layer w0.508: JP1.2 78.484,3.554 81.278,3.554 82.677,4.953 82.677,6.922 81.752,7.847 80.798,7.847 R19.2@80.465,8.18 ; R19.2 80.479,8.193 80.645,8.359 80.645,15.196 U.36
SDA: JP1.1 R20.2 U.33 | length 16.1
  Top Layer w0.508: R20.2@76.642,8.066 76.684,8.108 76.684,9.628 v1(76.708,9.652) ; v1(76.708,13.462) 76.708,13.496 77.015,13.803 U.33
  Bottom Layer w0.508: v1(76.708,13.462) v1(76.708,9.652) 79.756,6.604 JP1.1
sensor: JP2.2 U.37 | length 34.1
  Top Layer w0.508: JP2.2 65.995,2.876 66.685,2.876 67.784,3.975 69.304,3.975 70.336,2.943 70.336,2.293 71.803,0.826 81.09,0.826 84.01,3.746 84.01,11.748 82.291,13.467 82.291,15.18 U.37
TXD_CH: R3.1 U1.2 | length 28.3
  Top Layer w0.508: U1.2 45.708,11.469 46.641,11.469 47.022,11.088 47.105,11.088 49.403,8.79 49.403,6.604 49.408,6.599 49.408,4.363 50.85,2.921 58.801,2.921 R3.1
TXD_ESP: R2.2 U.35 | length 17.5
  Top Layer w0.508: R2.2 70.932,6.416 75.692,11.176 77.535,11.176 79.555,13.196 U.35
VBAT: C16.1 J2.2 L3.2 R8.2 R17.1 | length 41.7
  Top Layer w0.762: R8.2 9.473,14.685 C16.1@12.595,14.685 ; C16.1 C16.1@12.595,14.685 ; v2(13.081,17.399) 13.081,17.365 13.716,16.73 13.716,15.705 C16.1@12.794,14.783 ; R17.1 15.791,14.783 C16.1@12.794,14.783 ; L3.2 26.981,12.305 28.424,13.748 28.424,13.819 v2(28.448,13.843) ; C16.1@12.595,14.685 12.695,14.685 C16.1@12.794,14.783
  Bottom Layer w0.762: J2.2 3.831,18.21 5.693,18.21 6.18,18.697 11.783,18.697 v2(13.081,17.399) ; 13.115,17.907 13.306,18.098 24.448,18.098 26.416,16.129 27.813,16.129 28.448,15.494 v2(28.448,13.843)
VBAT_ADC: R14.2 R17.2 | length 74.7
  Top Layer w0.762: v2(67.564,35.56) 67.598,35.56 68.487,36.449 70.541,36.449 73.589,39.497 R14.2
  Top Layer w1.016: v2(14.478,10.033) 14.478,11.367 15.692,12.582 R17.2
  Bottom Layer w1.016: v2(14.478,10.033) 27.305,10.033 52.832,35.56 v2(67.564,35.56)
VBUS_5V: C12.1 U1.16 USB1.1 | length 37.5
  Top Layer w0.254: v1(35.465,6.523) 35.465,6.42 35.656,6.229 35.656,5.108 USB1.1
  Top Layer w0.762: v2(52.07,14.605) 50.546,14.605 50.1,14.159 50.1,13.527 50.761,12.866 52.082,12.866 U1.16 ; v2(56.769,14.605) 56.771,14.603 58.743,14.603 C12.1
  Bottom Layer w0.762: v1(35.465,6.523) 34.565,7.423 34.565,7.599 34.036,8.128 34.036,10.199 37.587,13.75 51.181,13.75 52.036,14.605 v2(56.769,14.605)
Vchar5v: B1.8 C4.2 C6.2 C14.1 C19.1 T1.2 | length 54.5
  Top Layer w0.762: B1.8 v1(20.084,22.352) ; C14.1 28.128,17.28 28.128,20.185 C4.2 C6.2
  Top Layer w1.016: T1.2@44.765,31.863 46.479,30.149 C19.1
  Top Layer w1.27: C6.2@28.167,22.795 29.718,24.345 v2(29.718,24.511) ; T1.2 46.779,32.047 47.752,33.02 v1(47.752,35.433)
  Bottom Layer w1.27: v1(20.084,22.352) 22.37,24.638 29.591,24.638 v2(29.718,24.511) 30.912,25.705 30.912,27.038 34.227,30.353 34.925,30.353 40.894,36.322 46.863,36.322 v1(47.752,35.433)
VDD5V: C17.1 D1.2 JP2.1 T1.3 U2.3 | length 109.6
  Top Layer w0.762: C17.1 82.613,44.821 82.613,44.98 82.945,45.311 C17.1@82.945,45.348
  Top Layer w1.016: v2(37.397,11.943) 37.333,11.943 35.687,13.589 35.687,27.94 41.994,34.247 T1.3
  Top Layer w1.27: T1.3 57.828,48.26 68.834,48.26 71.977,51.403 D1.2 75.025,51.308 v1(77.343,51.308) ; v1(82.105,49.53) 82.931,48.704 U2.3@82.931,46.736 ; C17.1@82.945,45.348 U2.3
  Bottom Layer w1.016: v2(37.397,11.943) 47.181,2.159 60.414,2.159 60.922,2.667 JP2.1
  Bottom Layer w1.27: v1(77.343,51.308) 81.362,51.308 82.105,50.564 v1(82.105,49.53)
pads on no net: U1.7 U1.8 U1.9 U1.10 U1.11 U1.12 U1.15 U.4 U.5 U.6 U.9 U.13 U.14 U.16 U.17 U.18 U.19 U.20 U.21 U.22 U.23 U.24 U.26 U.27 U.28 U.29 U.30 U.31 U.32 USB1.4
copper on no net:
  other v3: 83.312,1.27 1.651,1.651 83.566,57.023

## Polygon pours and split planes (outlines as drawn)
GND on Top Layer "top poly" (solid, remove dead copper, pour order 0): 84.836,58.928 84.836,0 0,0 0,23.876 45.72,23.876 45.72,58.928
GND on Bottom Layer "bottom poly" (solid, remove dead copper, pour order 1): 0,23.876 0,0 84.836,0 84.836,58.928 45.72,58.928 45.72,23.495

## Keep-outs
Keep-Out Layer:
  the board outline again, w0.635

## Silkscreen, mask and mechanical layers (free items; w line width, h text height)
Top Overlay:
  text "KienNM" at 20.574,34.067 h3.05
  text "KienNM" at 54.737,7.006 h2.03

## Text inside footprints (layer, text, board x,y; h text height)
U: Mechanical 13 "ANTENNA" at 87.105,29.876 h1.78 r270
U1: Top Overlay "16" at 52.705,12.192 h0.89; Top Overlay "9" at 52.773,2.473 h0.89; Top Overlay "8" at 44.879,2.35 h0.89; Top Overlay "1" at 44.806,13.31 h0.89